# KiCad board noraneko42gr.kicad_pcb
date: 2022-09-22
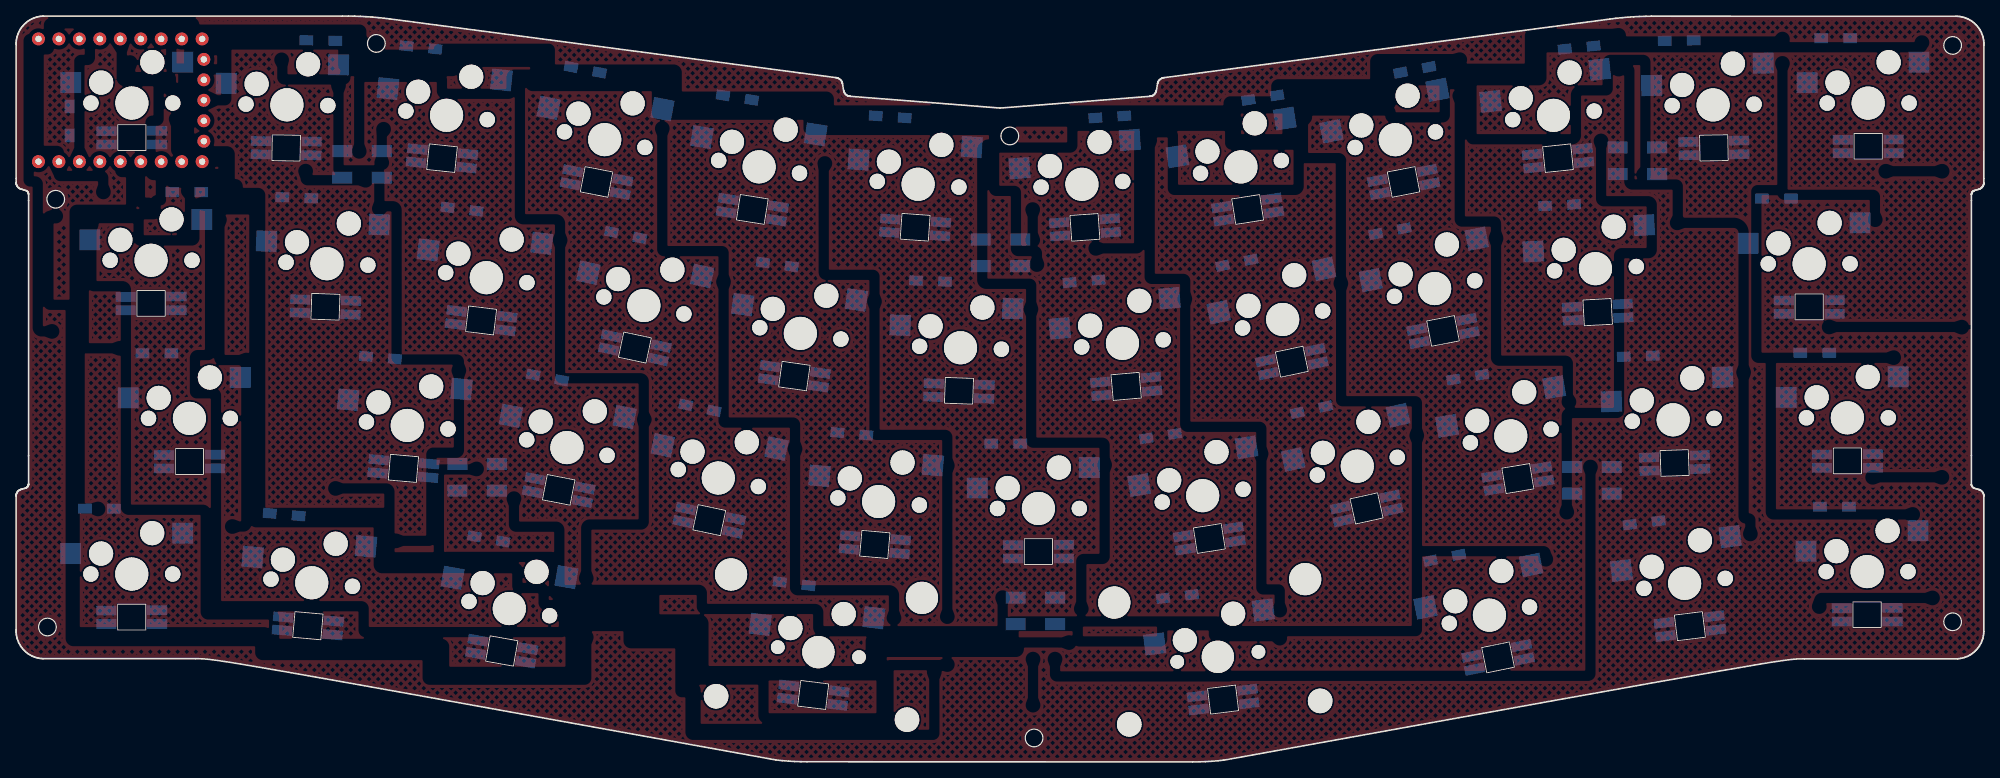
[diagram p0: board, top side]
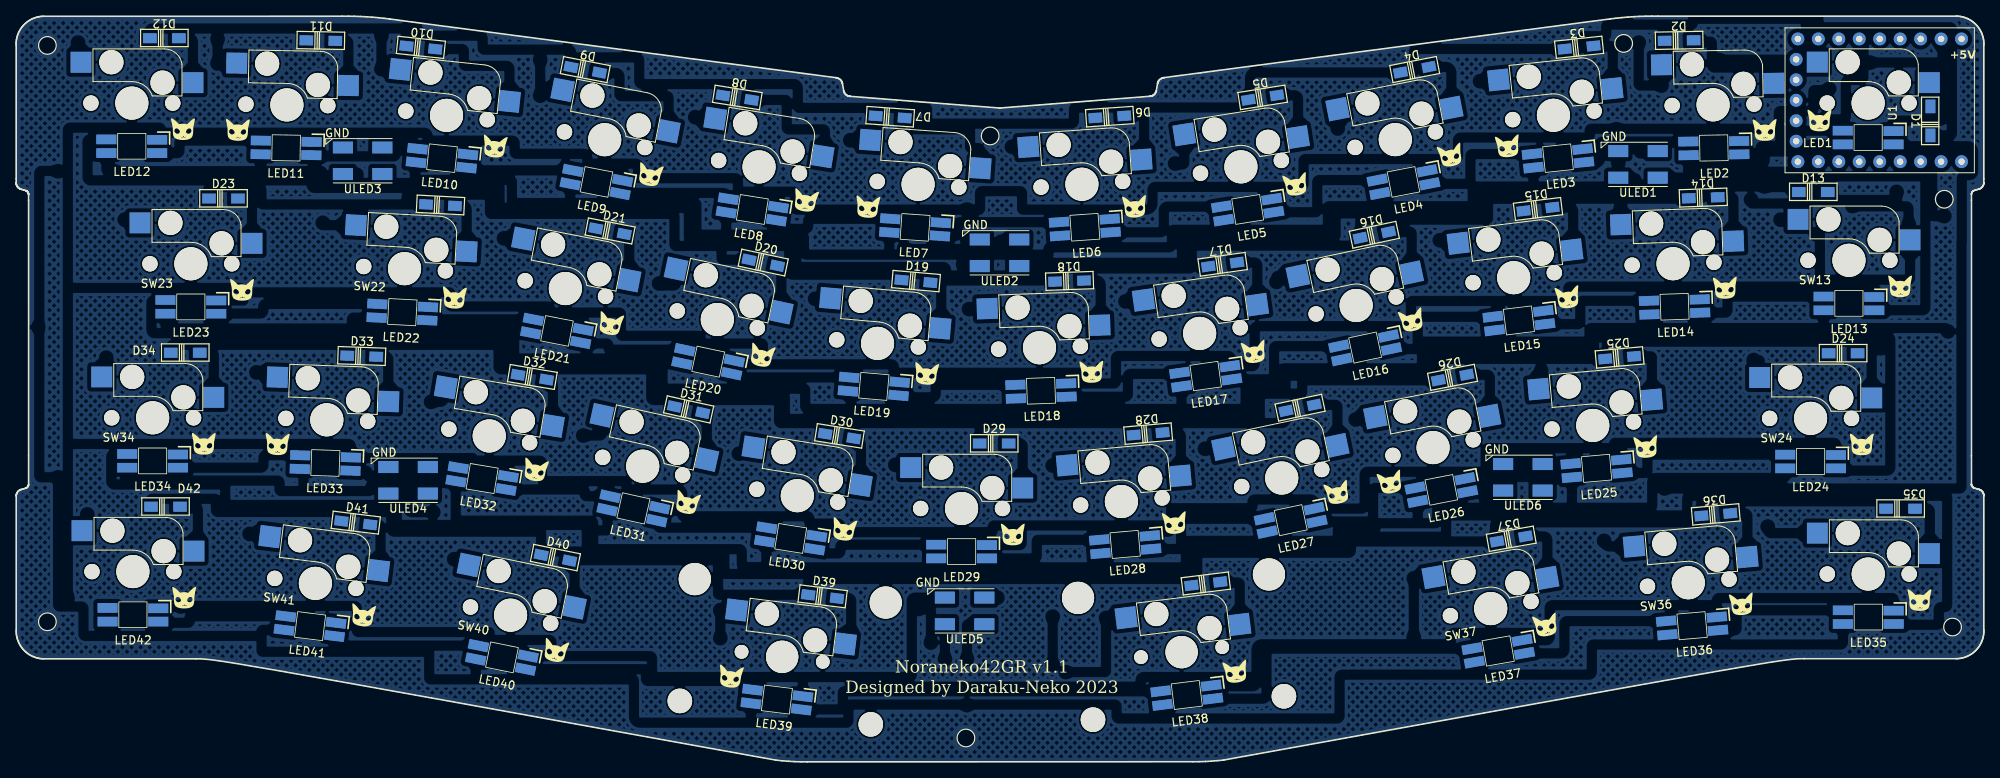
[diagram p1: board, bottom side, seen from below]

Outline 244.25 x 92.61 mm; copper layers: Top, Bottom. Coordinates in mm from the lower left corner of the outline.
Outline path: circle c3.89,16.75 r1.1 ; circle c4.92,69.87 r1.1 ; circle c44.72,89.22 r1.1 ; circle c123.35,77.73 r1.1 ; circle c126.36,2.97 r1.1 ; circle c240.37,88.97 r1.1 ; circle c240.37,17.4 r1.1 ; 22.31,12.82 3.43,12.82 3.26,12.82 3.09,12.84 2.91,12.86 2.74,12.89 2.58,12.93 2.41,12.98 2.25,13.04 2.09,13.1 1.93,13.17 1.78,13.25 1.63,13.34 1.49,13.43 1.35,13.54 1.22,13.65 1.09,13.76 0.96,13.89 0.84,14.01 0.73,14.15 0.63,14.29 0.53,14.43 0.45,14.58 0.37,14.73 0.29,14.89 0.23,15.05 0.17,15.21 0.12,15.37 0.08,15.54 0.05,15.71 0.02,15.88 0.01,16.05 0,16.23 0,16.4 0,33.03 0,33.07 0.01,33.1 0.01,33.14 0.02,33.17 0.02,33.21 0.03,33.24 0.04,33.28 0.05,33.31 0.06,33.34 0.08,33.37 0.09,33.41 0.11,33.44 0.12,33.47 0.14,33.5 0.16,33.52 0.18,33.55 0.2,33.58 0.23,33.6 0.25,33.63 0.27,33.65 0.3,33.68 0.33,33.7 0.35,33.72 0.38,33.74 0.41,33.76 0.44,33.77 0.47,33.79 0.51,33.81 0.54,33.82 0.57,33.83 0.61,33.84 0.64,33.85 0.77,33.89 0.91,33.92 1.04,33.96 1.17,34 1.19,34.01 1.21,34.02 1.23,34.03 1.25,34.03 1.27,34.04 1.29,34.05 1.31,34.07 1.32,34.08 1.34,34.09 1.36,34.1 1.37,34.12 1.39,34.13 1.4,34.14 1.41,34.16 1.43,34.18 1.44,34.19 1.45,34.21 1.46,34.22 1.47,34.24 1.48,34.26 1.49,34.28 1.5,34.3 1.51,34.32 1.52,34.34 1.52,34.35 1.53,34.37 1.53,34.4 1.54,34.42 1.54,34.44 1.54,34.46 1.55,34.48 1.55,34.5 1.55,70.47 1.54,70.52 1.54,70.56 1.53,70.6 1.52,70.64 1.5,70.68 1.48,70.71 1.46,70.75 1.44,70.78 1.41,70.81 1.39,70.84 1.36,70.87 1.32,70.9 1.29,70.92 1.25,70.94 1.21,70.96 1.17,70.97 1.04,71.01 0.91,71.05 0.77,71.09 0.64,71.12 0.61,71.13 0.57,71.14 0.54,71.15 0.51,71.17 0.47,71.18 0.44,71.2 0.38,71.23 0.33,71.27 0.27,71.32 0.23,71.37 0.18,71.42 0.14,71.48 0.11,71.54 0.08,71.6 0.05,71.66 0.03,71.73 0.02,71.76 0.02,71.8 0.01,71.83 0.01,71.87 0,71.9 0,71.94 0,89.02 0,89.2 0.01,89.37 0.02,89.55 0.05,89.72 0.08,89.89 0.12,90.05 0.17,90.22 0.23,90.38 0.29,90.54 0.37,90.69 0.45,90.85 0.54,90.99 0.63,91.14 0.74,91.28 0.85,91.41 0.96,91.54 1.09,91.66 1.22,91.78 1.35,91.89 1.49,91.99 1.63,92.09 1.78,92.17 1.94,92.25 2.09,92.32 2.25,92.39 2.41,92.45 2.58,92.49 2.75,92.53 2.92,92.57 3.09,92.59 3.26,92.6 3.43,92.61 40.5,92.61 41.24,92.61 41.98,92.6 42.72,92.58 43.46,92.54 44.2,92.49 44.93,92.43 45.67,92.35 46.41,92.26 97.21,85.57 101.73,84.97 101.76,84.97 101.79,84.97 101.85,84.96 101.91,84.94 101.96,84.92 102.02,84.9 102.07,84.88 102.13,84.85 102.18,84.82 102.23,84.79 102.27,84.75 102.32,84.71 102.36,84.67 102.4,84.62 102.43,84.57 102.47,84.52 102.48,84.5 102.5,84.47 102.51,84.44 102.52,84.41 102.53,84.38 102.54,84.35 102.55,84.32 102.56,84.29 102.56,84.26 102.57,84.23 102.72,83.36 102.73,83.32 102.74,83.28 102.76,83.24 102.77,83.19 102.79,83.15 102.81,83.12 102.83,83.08 102.85,83.04 102.88,83 102.91,82.97 102.93,82.93 102.96,82.9 103,82.87 103.03,82.84 103.06,82.81 103.1,82.78 103.12,82.77 103.15,82.76 103.18,82.74 103.21,82.73 103.24,82.72 103.26,82.71 103.29,82.7 103.32,82.69 103.35,82.69 103.38,82.68 103.41,82.67 103.44,82.67 103.47,82.66 103.5,82.66 103.53,82.65 103.56,82.65 122.13,81.19 140.7,82.65 140.73,82.65 140.76,82.65 140.79,82.66 140.81,82.66 140.84,82.67 140.87,82.68 140.9,82.68 140.93,82.69 140.96,82.7 140.99,82.71 141.02,82.72 141.05,82.73 141.07,82.74 141.1,82.75 141.13,82.77 141.15,82.78 141.19,82.81 141.22,82.84 141.26,82.87 141.29,82.9 141.32,82.93 141.35,82.96 141.37,83 141.4,83.04 141.42,83.07 141.44,83.11 141.46,83.15 141.48,83.19 141.5,83.23 141.51,83.28 141.53,83.32 141.54,83.36 141.68,84.23 141.69,84.26 141.7,84.29 141.7,84.32 141.71,84.35 141.72,84.38 141.73,84.41 141.74,84.44 141.75,84.47 141.78,84.52 141.82,84.57 141.85,84.62 141.89,84.66 141.94,84.7 141.98,84.74 142.03,84.78 142.07,84.82 142.13,84.85 142.18,84.88 142.23,84.9 142.29,84.92 142.35,84.94 142.4,84.95 142.46,84.96 142.52,84.97 147.18,85.58 197.85,92.25 198.58,92.34 199.32,92.41 200.06,92.48 200.8,92.53 201.54,92.56 202.28,92.59 203.02,92.6 203.76,92.6 240.82,92.59 240.99,92.58 241.17,92.57 241.34,92.55 241.51,92.51 241.68,92.47 241.84,92.43 242,92.37 242.16,92.31 242.32,92.23 242.47,92.15 242.62,92.07 242.76,91.97 242.9,91.87 243.04,91.76 243.17,91.64 243.29,91.52 243.41,91.39 243.52,91.26 243.62,91.12 243.72,90.97 243.81,90.83 243.89,90.68 243.96,90.52 244.02,90.36 244.08,90.2 244.13,90.03 244.17,89.87 244.21,89.7 244.23,89.53 244.25,89.35 244.25,89.18 244.25,89.01 244.25,72.42 244.25,71.92 244.25,71.88 244.24,71.85 244.24,71.81 244.24,71.78 244.23,71.74 244.22,71.71 244.21,71.68 244.2,71.64 244.19,71.61 244.18,71.58 244.16,71.55 244.14,71.52 244.13,71.49 244.11,71.46 244.09,71.43 244.07,71.4 244.05,71.38 244.03,71.35 244,71.32 243.98,71.3 243.95,71.28 243.92,71.26 243.9,71.24 243.87,71.22 243.84,71.2 243.81,71.18 243.78,71.16 243.75,71.15 243.71,71.13 243.68,71.12 243.64,71.11 243.61,71.1 243.48,71.07 243.34,71.03 243.21,70.99 243.08,70.95 243.06,70.94 243.04,70.94 243.02,70.93 243,70.92 242.98,70.91 242.96,70.9 242.94,70.89 242.93,70.88 242.91,70.86 242.89,70.85 242.88,70.84 242.86,70.82 242.85,70.81 242.84,70.79 242.82,70.78 242.81,70.76 242.8,70.75 242.79,70.73 242.78,70.71 242.77,70.69 242.76,70.68 242.75,70.66 242.74,70.64 242.73,70.62 242.73,70.6 242.72,70.58 242.72,70.56 242.71,70.54 242.71,70.52 242.71,70.5 242.7,70.48 242.7,70.45 242.7,69.7 242.7,38.01 242.7,34.48 242.7,34.44 242.71,34.4 242.72,34.36 242.73,34.32 242.74,34.28 242.76,34.24 242.78,34.21 242.8,34.17 242.83,34.14 242.86,34.11 242.89,34.08 242.92,34.06 242.96,34.04 242.99,34.02 243.03,34 243.07,33.98 243.2,33.94 243.34,33.9 243.47,33.87 243.6,33.83 243.64,33.82 243.67,33.81 243.71,33.8 243.74,33.79 243.77,33.77 243.8,33.75 243.86,33.72 243.92,33.68 243.97,33.63 244.02,33.58 244.06,33.53 244.1,33.48 244.14,33.42 244.17,33.36 244.19,33.29 244.22,33.22 244.22,33.19 244.23,33.16 244.24,33.12 244.24,33.09 244.24,33.05 244.24,33.01 244.24,16.38 244.24,16.21 244.23,16.03 244.22,15.86 244.19,15.69 244.16,15.52 244.12,15.35 244.07,15.19 244.01,15.03 243.95,14.87 243.88,14.71 243.8,14.56 243.71,14.41 243.61,14.27 243.51,14.13 243.4,14 243.28,13.87 243.16,13.74 243.03,13.63 242.89,13.52 242.75,13.42 242.61,13.32 242.46,13.23 242.31,13.15 242.15,13.08 241.99,13.02 241.83,12.96 241.67,12.91 241.5,12.87 241.33,12.84 241.16,12.82 240.98,12.8 240.81,12.8 221.94,12.8 ; 94.32,0.24 95.09,0.16 95.87,0.09 96.64,0.05 97.41,0.02 98.19,0.02 146.05,0 146.83,0.01 147.6,0.03 148.38,0.08 149.15,0.14 149.92,0.22
Stack: Top 0.035mm / dielectric 1.51mm FR4 er 4.5 / Bottom 0.035mm

## Placement (name value [footprint] x y rotation side)
D1  D  [1N4148W]  6.64 79.6 90 bottom
D2  D  [1N4148W]  37.82 89.58 179 bottom
D3  D  [1N4148W]  50.24 88.72 174 bottom
D4  D  [1N4148W]  70.65 85.95 169 bottom
D5  D  [1N4148W]  89.52 82.49 171 bottom
D6  D  [1N4148W]  108.5 80.1 176 bottom
D7  D  [1N4148W]  135.76 80.09 184 bottom
D8  D  [1N4148W]  154.74 82.49 189 bottom
D9  D  [1N4148W]  173.61 85.94 191 bottom
D10  D  [1N4148W]  194.01 88.71 186 bottom
D11  D  [1N4148W]  206.43 89.57 181 bottom
D12  D  [1N4148W]  225.86 89.87 180 bottom
D13  D  [1N4148W]  21.18 70.76 180 bottom
D14  D  [1N4148W]  34.83 70.05 178 bottom
D15  D  [1N4148W]  55.34 68.64 173 bottom
D16  D  [1N4148W]  75.65 65.43 168 bottom
D17  D  [1N4148W]  94.48 61.76 172 bottom
D18  D  [1N4148W]  113.49 59.71 178 bottom
D19  D  [1N4148W]  132.56 59.68 185 bottom
D20  D  [1N4148W]  151.52 61.98 192 bottom
D21  D  [1N4148W]  170.53 65.9 191 bottom
D22  D  [1N4148W]  191.58 69.13 183 bottom
D23  D  [1N4148W]  218.51 69.96 180 bottom
D24  D  [1N4148W]  17.47 50.74 180 bottom
D25  D  [1N4148W]  45.22 50.2 175 bottom
D26  D  [1N4148W]  65.95 47.73 169 bottom
D27  D  [1N4148W]  84.87 43.96 168 bottom
D28  D  [1N4148W]  103.74 40.74 175 bottom
D29  D  [1N4148W]  122.84 39.54 180 bottom
D30  D  [1N4148W]  142.06 40.46 189 bottom
D31  D  [1N4148W]  160.78 43.74 192.5 bottom
D32  D  [1N4148W]  180.18 47.77 189.5 bottom
D33  D  [1N4148W]  201.36 50.38 182 bottom
D34  D  [1N4148W]  223.26 50.81 180 bottom
D35  D  [1N4148W]  10.34 31.45 180 bottom
D36  D  [1N4148W]  33.28 30.71 175 bottom
D37  D  [1N4148W]  58.66 27.68 170 bottom
D38  D  [1N4148W]  96.58 22.13 173 bottom
D39  D  [1N4148W]  144.15 20.53 187 bottom
D40  D  [1N4148W]  177.32 25.35 191.5 bottom
D41  D  [1N4148W]  202.1 29.69 187 bottom
D42  D  [1N4148W]  225.71 31.69 180 bottom
LED1  SK6812MINI-E  [SK6812MINI-E_cat_right]  14.37 77.53 0 bottom
LED2  -  [SK6812MINI-E]  33.52 76.24 359 bottom
LED3  SK6812MINI-E  [SK6812MINI-E_cat_right]  52.87 74.97 354 bottom
LED4  -  [SK6812MINI-E]  72.05 72.02 349 bottom
LED5  SK6812MINI-E  [SK6812MINI-E#3]  91.38 68.6 351 bottom
LED6  -  [SK6812MINI-E]  111.59 66.39 356 bottom
LED7  SK6812MINI-E  [SK6812MINI-E_cat_right]  132.67 66.38 4 bottom
LED8  SK6812MINI-E  [SK6812MINI-E#2]  152.87 68.6 9 bottom
LED9  -  [SK6812MINI-E]  172.22 72.02 11 bottom
LED10  -  [SK6812MINI-E]  191.39 74.97 6 bottom
LED11  SK6812MINI-E  [SK6812MINI-E_cat_right]  210.74 76.25 1 bottom
LED12  -  [SK6812MINI-E]  229.9 76.45 0 bottom
LED13  -  [SK6812MINI-E]  16.76 56.93 0 bottom
LED14  -  [SK6812MINI-E]  38.4 56.52 358 bottom
LED15  -  [SK6812MINI-E]  57.72 54.82 353 bottom
LED16  -  [SK6812MINI-E]  76.81 51.45 348 bottom
LED17  -  [SK6812MINI-E]  96.6 47.91 352 bottom
LED18  -  [SK6812MINI-E]  117.03 46.08 358 bottom
LED19  -  [SK6812MINI-E]  137.79 46.63 5 bottom
LED20  -  [SK6812MINI-E]  158.35 49.7 12 bottom
LED21  -  [SK6812MINI-E]  177.12 53.52 11 bottom
LED22  -  [SK6812MINI-E]  196.32 55.85 3 bottom
LED23  -  [SK6812MINI-E]  222.57 56.5 0 bottom
LED24  -  [SK6812MINI-E]  21.52 37.3 0 bottom
LED25  -  [SK6812MINI-E]  48.08 36.45 355 bottom
LED26  SK6812MINI-E  [SK6812MINI-E_cat_right]  67.35 33.78 349 bottom
LED27  -  [SK6812MINI-E]  86.04 30.02 348 bottom
LED28  -  [SK6812MINI-E]  106.59 27 355 bottom
LED29  -  [SK6812MINI-E]  126.9 26.12 0 bottom
LED30  SK6812MINI-E  [SK6812MINI-E#2]  148.11 27.75 9 bottom
LED31  -  [SK6812MINI-E]  167.63 31.48 12.5 bottom
LED32  -  [SK6812MINI-E]  186.4 35.19 9.5 bottom
LED33  SK6812MINI-E  [SK6812MINI-E_cat_right]  205.87 37.12 2 bottom
LED34  -  [SK6812MINI-E]  227.32 37.38 0 bottom
LED35  -  [SK6812MINI-E]  14.35 17.98 0 bottom
LED36  -  [SK6812MINI-E]  36.22 16.91 355 bottom
LED37  -  [SK6812MINI-E]  60.28 13.77 350 bottom
LED38  -  [SK6812MINI-E]  98.94 8.31 353 bottom
LED39  SK6812MINI-E  [SK6812MINI-E_cat_right]  149.82 7.74 7 bottom
LED40  -  [SK6812MINI-E]  183.95 12.98 11.5 bottom
LED41  -  [SK6812MINI-E]  207.76 16.86 7 bottom
LED42  -  [SK6812MINI-E]  229.76 18.27 0 bottom
SW1  SW_Push  [MX_Socket]  14.37 81.82 0 top
SW2  SW_Push  [MX_Socket]  33.61 81.59 359 top
SW3  SW_Push  [MX_Socket]  53.43 80.29 354 top
SW4  SW_Push  [MX_Socket]  73.06 77.27 349 top
SW5  SW_Push  [MX_Socket]  92.22 73.89 351 top
SW6  SW_Push  [MX_Socket]  111.96 71.73 356 top
SW7  SW_Push  [MX_Socket]  132.3 71.72 4 top
SW8  SW_Push  [MX_Socket]  152.03 73.89 9 top
SW9  SW_Push  [MX_Socket]  171.2 77.27 11 top
SW10  SW_Push  [MX_Socket]  190.83 80.28 6 top
SW11  SW_Push  [MX_Socket]  210.64 81.59 1 top
SW12  SW_Push  [MX_Socket]  229.89 81.81 0 top
SW13  SW_Push  [MX_Socket_1.25U]  16.75 62.29 0 top
SW14  SW_Push  [MX_Socket]  38.58 61.86 358 top
SW15  SW_Push  [MX_Socket]  58.37 60.13 353 top
SW16  SW_Push  [MX_Socket]  77.92 56.68 348 top
SW17  SW_Push  [MX_Socket]  97.35 53.21 352 top
SW18  SW_Push  [MX_Socket]  117.23 51.43 358 top
SW19  SW_Push  [MX_Socket]  137.33 51.97 5 top
SW20  SW_Push  [MX_Socket]  157.22 54.94 12 top
SW21  SW_Push  [MX_Socket]  176.08 58.78 11 top
SW22  SW_Push  [MX_Socket]  196.04 61.25 3 top
SW23  SW_Push  [MX_Socket_1.75U]  222.56 61.86 0 top
SW24  SW_Push  [MX_Socket_1.75U]  21.51 42.66 0 top
SW25  SW_Push  [MX_Socket]  48.55 41.78 355 top
SW26  SW_Push  [MX_Socket]  68.37 39.03 349 top
SW27  SW_Push  [MX_Socket]  87.16 35.25 348 top
SW28  SW_Push  [MX_Socket]  107.06 32.33 355 top
SW29  SW_Push  [MX_Socket]  126.9 31.47 0 top
SW30  SW_Push  [MX_Socket]  147.29 33.06 9 top
SW31  SW_Push  [MX_Socket]  166.48 36.72 12.5 top
SW32  SW_Push  [MX_Socket]  185.53 40.48 9.5 top
SW33  SW_Push  [MX_Socket]  205.69 42.48 2 top
SW34  SW_Push  [MX_Socket_1.25U]  227.31 42.73 0 top
SW35  SW_Push  [MX_Socket]  14.36 23.33 0 top
SW36  SW_Push  [MX_Socket_1.25U]  36.7 22.25 355 top
SW37  SW_Push  [MX_Socket_1.25U]  61.22 19.04 350 top
SW38  SW_Push  [MX_Socket_2.75U_Re]  99.59 13.63 353 top
SW39  SW_Push  [MX_Socket_2.25U_Re]  149.17 13.05 7 top
SW40  SW_Push  [MX_Socket_1.25U]  182.88 18.22 11.5 top
SW41  SW_Push  [MX_Socket_1.25U]  207.11 22.17 7 top
SW42  SW_Push  [MX_Socket]  229.76 23.63 0 top
U1  RP2040-Zero  [RP2040-Zero-THT]  12.18 82.16 270 bottom
ULED1  SK6812MINI-E  [WS2812B_PLCC4_5.0x5.0mm]  42.94 74.2 0 bottom
ULED2  SK6812MINI-E  [WS2812B_PLCC4_5.0x5.0mm]  122.19 63.22 0 bottom
ULED3  SK6812MINI-E  [WS2812B_PLCC4_5.0x5.0mm]  201.24 74.65 0 bottom
ULED4  SK6812MINI-E  [WS2812B_PLCC4_5.0x5.0mm]  195.6 34.97 0 bottom
ULED5  SK6812MINI-E  [WS2812B_PLCC4_5.0x5.0mm]  126.52 18.75 0 bottom
ULED6  SK6812MINI-E  [WS2812B_PLCC4_5.0x5.0mm]  57.23 35.34 0 bottom

## Library data of the parts
D1-D42 = -: Description: Diode, small symbol; LCSC: C81598; Sim.Pins: 1=K 2=A
SW1-SW42 = -: Description: Push button switch, generic, two pins
ULED1-ULED6 = -: Field4: 1

## Footprints (pads in the part's own frame, mm; a bottom-side part is the same pattern mirrored in y, then rotated)
1N4148W
  rect 1.7x1.25 smd: 1(-1.8,0) 2(1.8,0)
MX_Socket
  round 1.9 hole 1.9 unplated: (-5.08,0) (5.08,0)
  round 3 hole 3 unplated: (-3.81,2.54) (2.54,5.08)
  round 4.1 hole 4.1 unplated: (0,0)
  rect 2.6x2.6 smd far side: 1(6.314,5.079) 2(-7.586,2.539)
MX_Socket_1.25U
  round 1.9 hole 1.9 unplated: (-5.08,0) (5.08,0)
  round 3 hole 3 unplated: (-3.81,2.54) (2.54,5.08)
  round 4.1 hole 4.1 unplated: (0,0)
  rect 2.6x2.6 smd far side: 1(6.314,5.079) 2(-7.586,2.539)
MX_Socket_1.75U
  round 1.9 hole 1.9 unplated: (-5.08,0) (5.08,0)
  round 3 hole 3 unplated: (-3.81,2.54) (2.54,5.08)
  round 4.1 hole 4.1 unplated: (0,0)
  rect 2.6x2.6 smd far side: 1(6.314,5.079) 2(-7.586,2.539)
MX_Socket_2.25U_Re
  round 3.988 hole 3.988 unplated: (-11.938,8.255) (11.938,8.255)
  round 3.048 hole 3.048 unplated: (-11.938,-6.985) (11.938,-6.985)
  round 1.7 hole 1.7 unplated: (-5.081,-0.001) (5.079,-0.001)
  round 3 hole 3 unplated: (-3.811,2.539) (2.539,5.079)
  round 4 hole 4 unplated: (0,0)
  rect 2.6x2.6 smd far side: 1(6.314,5.079) 2(-7.586,2.539)
MX_Socket_2.75U_Re
  round 3.988 hole 3.988 unplated: (-11.938,8.254) (11.938,8.254)
  round 3.048 hole 3.048 unplated: (-11.938,-6.986) (11.938,-6.986)
  round 1.7 hole 1.7 unplated: (-5.081,-0.001) (5.079,-0.001)
  round 3 hole 3 unplated: (-3.811,2.539) (2.539,5.079)
  round 4 hole 4 unplated: (0,0)
  rect 2.6x2.6 smd far side: 1(6.314,5.079) 2(-7.586,2.539)
RP2040-Zero-THT
  round 1.6 hole 0.8: 0(7.62,9.41) 1(7.62,6.87) 2(7.62,4.33) 3(7.62,1.79) 4(7.62,-0.75) 5(7.62,-3.29) 6(7.62,-5.83) 7(7.62,-8.37) 8(7.62,-10.91) 9(5.08,-11.12) 10(2.54,-11.12) 11(0,-11.12) 12(-2.54,-11.12) 13(-5.08,-11.12) 14(-7.62,-10.91) 15(-7.62,-8.37) 26(-7.62,-5.83) 27(-7.62,-3.29) 28(-7.62,-0.75) 29(-7.62,1.79) 30(-7.62,4.33) 31(-7.62,6.87) 32(-7.62,9.41)
SK6812MINI-E
  rect 2.5x1.2 smd: 1(3.15,0.85) 2(3.15,-0.85) 3(-3.15,-0.8) 4(-3.15,0.85)
SK6812MINI-E#2
  rect 2.5x1.2 smd: 1(3.15,0.85) 2(3.15,-0.85) 3(-3.15,-0.8) 4(-3.15,0.85)
SK6812MINI-E#3
  rect 2.5x1.2 smd: 1(3.15,0.85) 2(3.15,-0.85) 3(-3.15,-0.8) 4(-3.15,0.85)
SK6812MINI-E_cat_right
  rect 2.5x1.2 smd: 1(3.15,0.85) 2(3.15,-0.85) 3(-3.15,-0.8) 4(-3.15,0.85)
WS2812B_PLCC4_5.0x5.0mm
  rect 2.5x1.5 smd: 1(-2.45,1.65) 2(-2.45,-1.65) 3(2.45,-1.65) 4(2.45,1.65)

## Nets
+3.3V: U1.30
+5V: LED1.1 LED2.1 LED3.1 LED4.1 LED5.1 LED6.1 LED7.1 LED8.1 LED9.1 LED10.1 LED11.1 LED12.1 LED13.1 LED14.1 LED15.1 LED16.1 LED17.1 LED18.1 LED19.1 LED20.1 LED21.1 LED22.1 LED23.1 LED24.1 LED25.1 LED26.1 LED27.1 LED28.1 LED29.1 LED30.1 LED31.1 LED32.1 LED33.1 LED34.1 LED35.1 LED36.1 LED37.1 LED38.1 LED39.1 LED40.1 LED41.1 LED42.1 U1.32 ULED1.1 ULED2.1 ULED3.1 ULED4.1 ULED5.1 ULED6.1
GND: LED1.3 LED2.3 LED3.3 LED4.3 LED5.3 LED6.3 LED7.3 LED8.3 LED9.3 LED10.3 LED11.3 LED12.3 LED13.3 LED14.3 LED15.3 LED16.3 LED17.3 LED18.3 LED19.3 LED20.3 LED21.3 LED22.3 LED23.3 LED24.3 LED25.3 LED26.3 LED27.3 LED28.3 LED29.3 LED30.3 LED31.3 LED32.3 LED33.3 LED34.3 LED35.3 LED36.3 LED37.3 LED38.3 LED39.3 LED40.3 LED41.3 LED42.3 U1.31 ULED1.3 ULED2.3 ULED3.3 ULED4.3 ULED5.3 ULED6.3
COL0: SW1.1 SW13.1 SW24.1 SW35.1 U1.1
COL1: SW2.1 SW14.1 SW25.1 SW36.1 U1.2
COL2: SW3.1 SW15.1 SW26.1 SW37.1 U1.3
COL3: SW4.1 SW16.1 SW27.1 SW38.1 U1.4
COL4: SW5.1 SW17.1 SW28.1 U1.5
COL5: SW6.1 SW18.1 SW29.1 U1.6
COL6: SW7.1 SW19.1 SW30.1 SW39.1 U1.7
COL7: SW8.1 SW20.1 SW31.1 SW40.1 U1.8
COL8: SW9.1 SW21.1 SW32.1 U1.9
COL9: SW10.1 SW22.1 SW33.1 SW41.1 U1.10
COL10: SW11.1 SW23.1 SW34.1 SW42.1 U1.11
COL11: SW12.1 U1.12
LED3.3V: U1.0 ULED1.4
ROW0: D1.1 D2.1 D3.1 D4.1 D5.1 D6.1 D7.1 D8.1 D9.1 D10.1 D11.1 D12.1 U1.15
ROW1: D13.1 D14.1 D15.1 D16.1 D17.1 D18.1 D19.1 D20.1 D21.1 D22.1 D23.1 U1.26
ROW2: D24.1 D25.1 D26.1 D27.1 D28.1 D29.1 D30.1 D31.1 D32.1 D33.1 D34.1 U1.27
ROW3: D35.1 D36.1 D37.1 D38.1 D39.1 D40.1 D41.1 D42.1 U1.28
Net-(D1-A): D1.2 SW1.2
Net-(D2-A): D2.2 SW2.2
Net-(D3-A): D3.2 SW3.2
Net-(D4-A): D4.2 SW4.2
Net-(D5-A): D5.2 SW5.2
Net-(D6-A): D6.2 SW6.2
Net-(D7-A): D7.2 SW7.2
Net-(D8-A): D8.2 SW8.2
Net-(D9-A): D9.2 SW9.2
Net-(D10-A): D10.2 SW10.2
Net-(D11-A): D11.2 SW11.2
Net-(D12-A): D12.2 SW12.2
Net-(D13-A): D13.2 SW13.2
Net-(D14-A): D14.2 SW14.2
Net-(D15-A): D15.2 SW15.2
Net-(D16-A): D16.2 SW16.2
Net-(D17-A): D17.2 SW17.2
Net-(D18-A): D18.2 SW18.2
Net-(D19-A): D19.2 SW19.2
Net-(D20-A): D20.2 SW20.2
Net-(D21-A): D21.2 SW21.2
Net-(D22-A): D22.2 SW22.2
Net-(D23-A): D23.2 SW23.2
Net-(D24-A): D24.2 SW24.2
Net-(D25-A): D25.2 SW25.2
Net-(D26-A): D26.2 SW26.2
Net-(D27-A): D27.2 SW27.2
Net-(D28-A): D28.2 SW28.2
Net-(D29-A): D29.2 SW29.2
Net-(D30-A): D30.2 SW30.2
Net-(D31-A): D31.2 SW31.2
Net-(D32-A): D32.2 SW32.2
Net-(D33-A): D33.2 SW33.2
Net-(D34-A): D34.2 SW34.2
Net-(D35-A): D35.2 SW35.2
Net-(D36-A): D36.2 SW36.2
Net-(D37-A): D37.2 SW37.2
Net-(D38-A): D38.2 SW38.2
Net-(D39-A): D39.2 SW39.2
Net-(D40-A): D40.2 SW40.2
Net-(D41-A): D41.2 SW41.2
Net-(D42-A): D42.2 SW42.2
Net-(LED1-DIN): LED1.4 ULED6.2
Net-(LED1-DOUT): LED1.2 LED2.4
Net-(LED2-DOUT): LED2.2 LED3.4
Net-(LED3-DOUT): LED3.2 LED4.4
Net-(LED4-DOUT): LED4.2 LED5.4
Net-(LED5-DOUT): LED5.2 LED6.4
Net-(LED6-DOUT): LED6.2 LED7.4
Net-(LED7-DOUT): LED7.2 LED8.4
Net-(LED8-DOUT): LED8.2 LED9.4
Net-(LED10-DIN): LED9.2 LED10.4
Net-(LED10-DOUT): LED10.2 LED11.4
Net-(LED11-DOUT): LED11.2 LED12.4
Net-(LED12-DOUT): LED12.2 LED13.4
Net-(LED13-DOUT): LED13.2 LED14.4
Net-(LED14-DOUT): LED14.2 LED15.4
Net-(LED15-DOUT): LED15.2 LED16.4
Net-(LED16-DOUT): LED16.2 LED17.4
Net-(LED17-DOUT): LED17.2 LED18.4
Net-(LED18-DOUT): LED18.2 LED19.4
Net-(LED19-DOUT): LED19.2 LED20.4
Net-(LED20-DOUT): LED20.2 LED21.4
Net-(LED21-DOUT): LED21.2 LED22.4
Net-(LED22-DOUT): LED22.2 LED23.4
Net-(LED23-DOUT): LED23.2 LED24.4
Net-(LED24-DOUT): LED24.2 LED25.4
Net-(LED25-DOUT): LED25.2 LED26.4
Net-(LED26-DOUT): LED26.2 LED27.4
Net-(LED27-DOUT): LED27.2 LED28.4
Net-(LED28-DOUT): LED28.2 LED29.4
Net-(LED29-DOUT): LED29.2 LED30.4
Net-(LED30-DOUT): LED30.2 LED31.4
Net-(LED31-DOUT): LED31.2 LED32.4
Net-(LED32-DOUT): LED32.2 LED33.4
Net-(LED33-DOUT): LED33.2 LED34.4
Net-(LED34-DOUT): LED34.2 LED35.4
Net-(LED35-DOUT): LED35.2 LED36.4
Net-(LED36-DOUT): LED36.2 LED37.4
Net-(LED37-DOUT): LED37.2 LED38.4
Net-(LED38-DOUT): LED38.2 LED39.4
Net-(LED39-DOUT): LED39.2 LED40.4
Net-(LED40-DOUT): LED40.2 LED41.4
Net-(LED41-DOUT): LED41.2 LED42.4
Net-(ULED1-DOUT): ULED1.2 ULED2.4
Net-(ULED2-DOUT): ULED2.2 ULED3.4
Net-(ULED3-DOUT): ULED3.2 ULED4.4
Net-(ULED4-DOUT): ULED4.2 ULED5.4
Net-(ULED5-DOUT): ULED5.2 ULED6.4

Pads without a net: LED42 2; U1 13 14 29

## Copper pours and planes (outline as drawn; the poured copper is in the pictures)
(no net) on Top, Bottom: 244.45,12.69 220.65,11.99 148.53,-0.68 95.68,-1.06 23.61,12.29 -0.33,12.23 -0.3,92.87 43.79,92.9 81.53,87.95 102.74,85.04 103.27,83.01 122.13,81.4 140.84,82.94 141.65,85.09 165.1,88.24 200.54,92.95 244.42,92.7

## Text on the board
B.Silkscreen: +5V | Noraneko42GR v1.1 / Designed by Daraku-Neko 2023
